# KiCad board fieldRadio_1.1.kicad_pcb (continued)
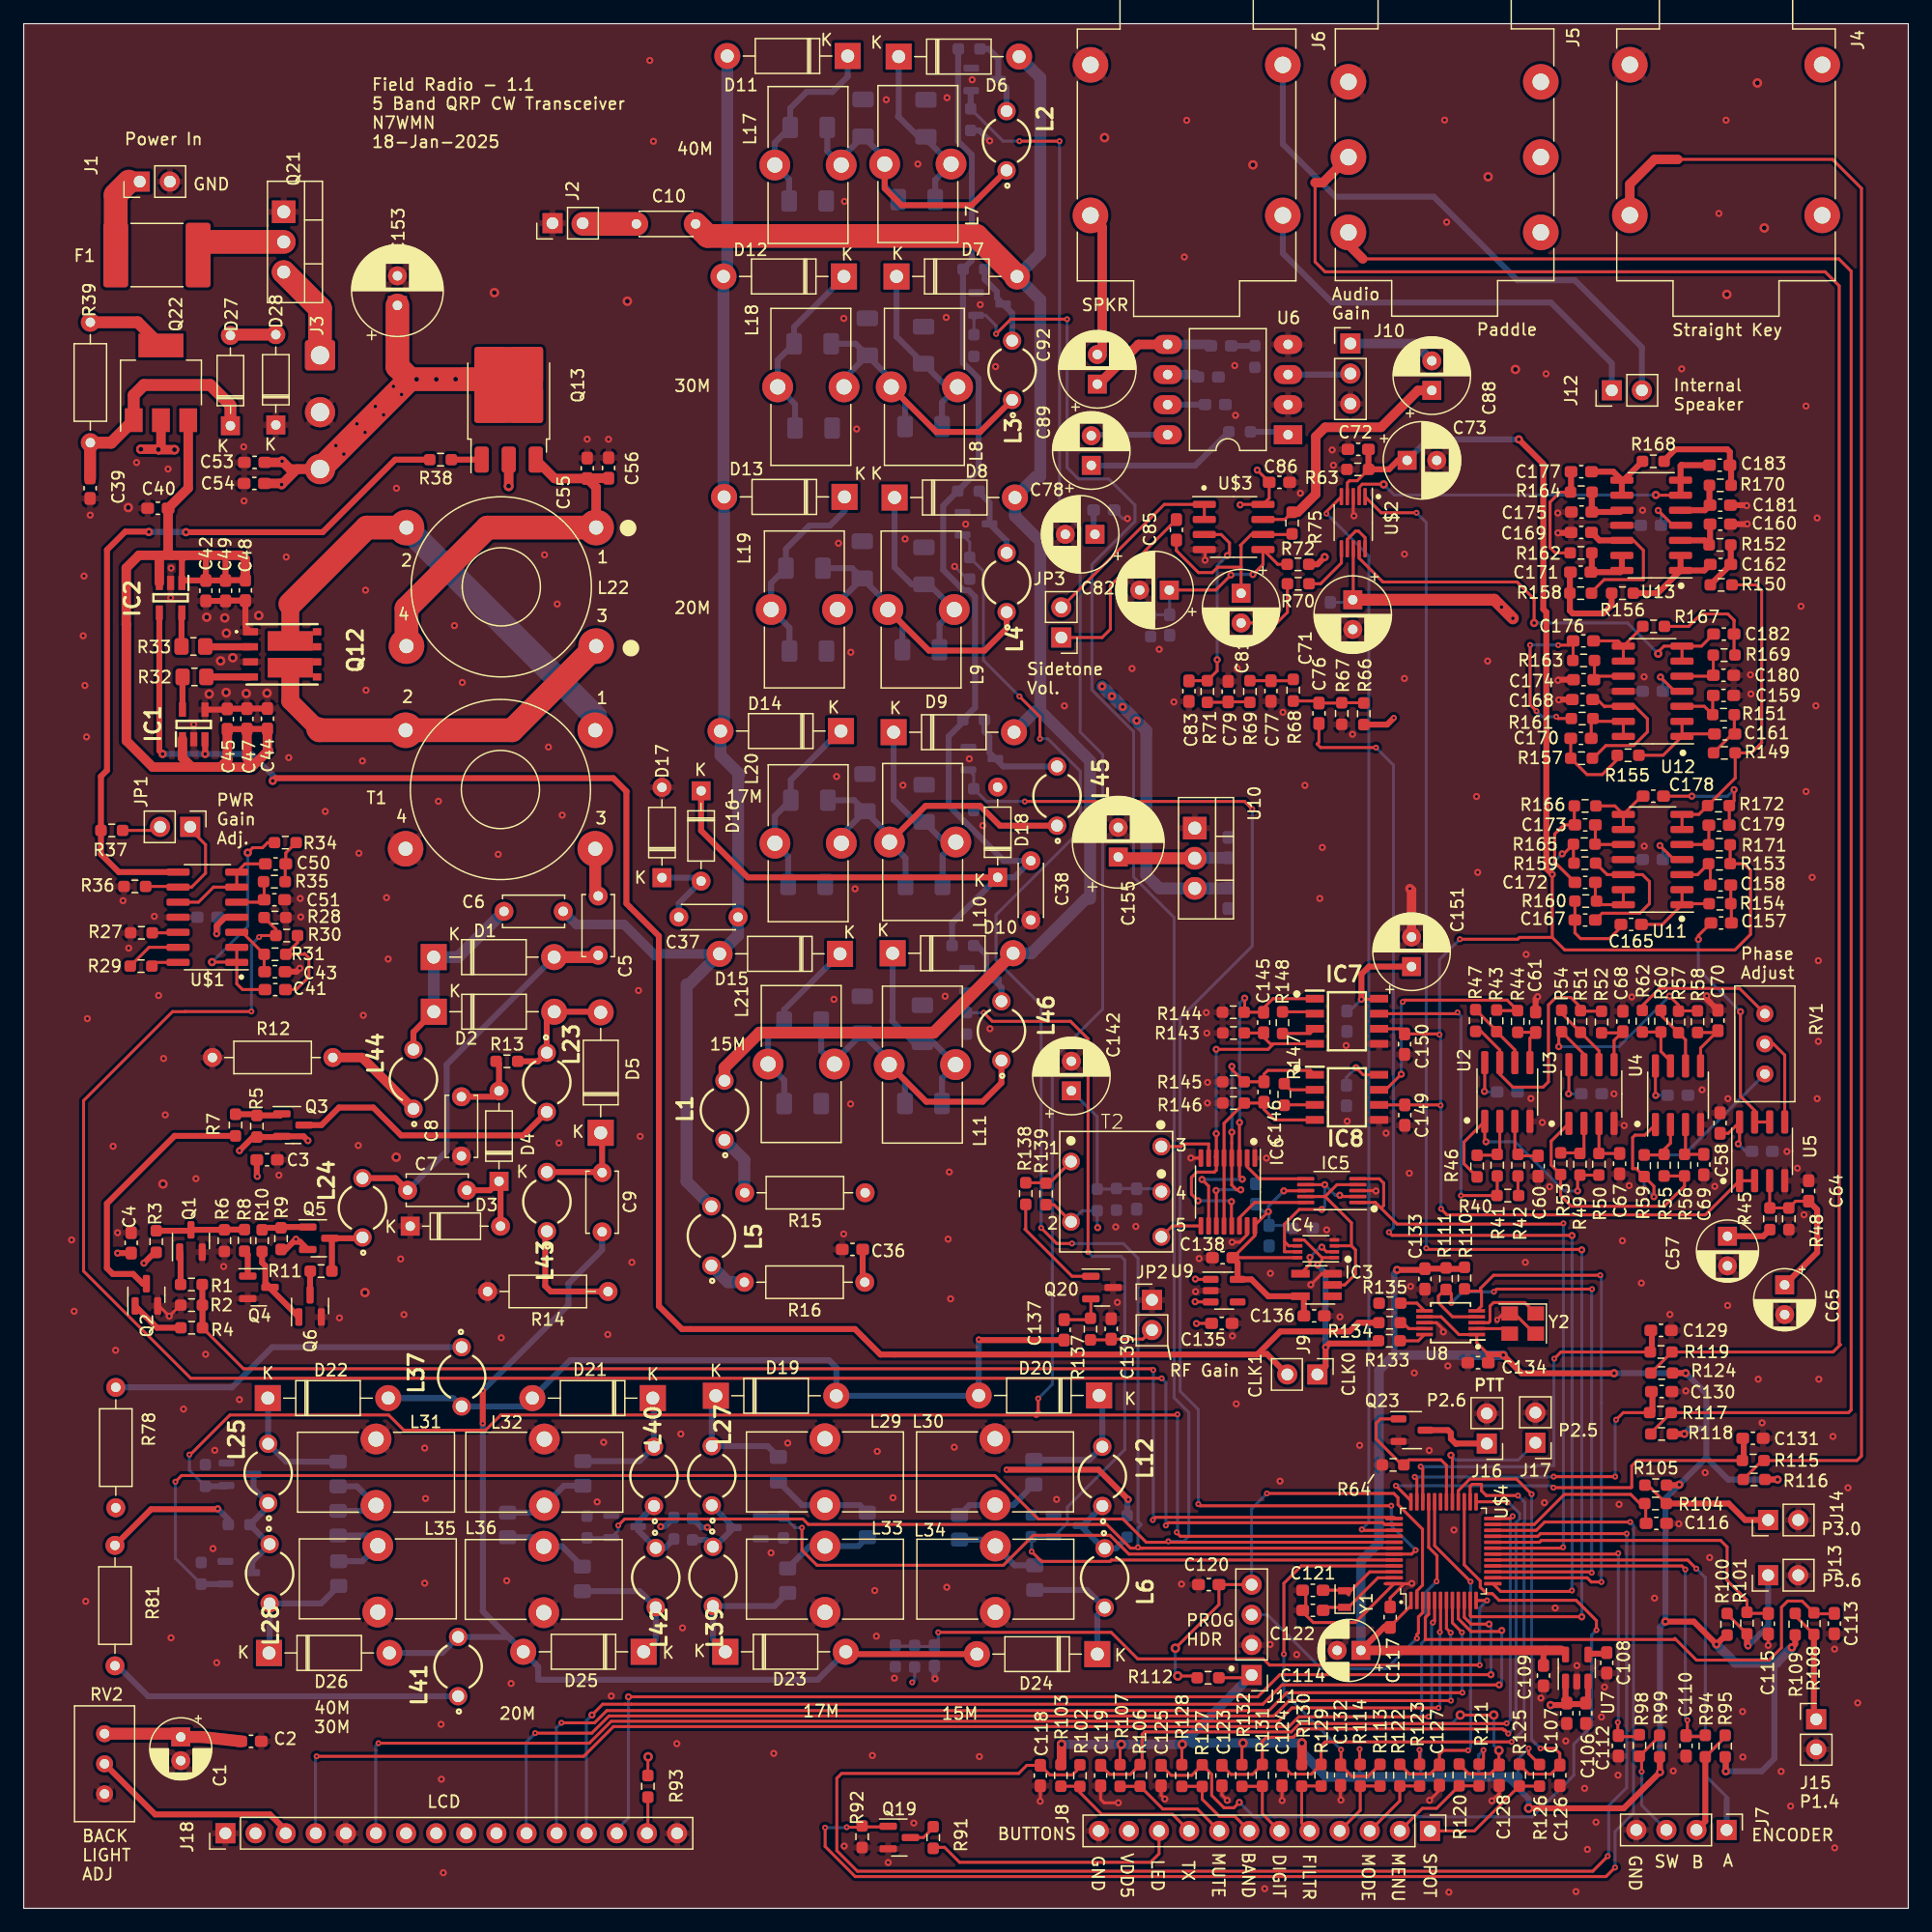
[diagram p0: board, top side]
## Routing (per net, layer and track width the routed paths; a pad name or vN(x,y) marks a point on that pad's centre or on a via; arc(x,y) is an arc through that point) (continued)
Net-(Q2-C): length 22.5
  Top w0.5: Q2.3 10.05,52.7 9.23,53.52 7.51,53.52 7.02,54.01 7.02,59.46 12.73,65.17 R7.1
Net-(Q3-D): length 22.9
  Top w0.5: Q3.3 25.12,66.08 26.6,67.56 29.49,67.56 31.84,65.21 42.15,65.21 L23.2
Net-(Q3-G): length 4
  Top w0.5: Q3.1 21.64,66.89 R5.2 19.57,66.99 R7.2
Net-(Q4-B): length 2.2
  Top w0.5: Q4.1 18.9,55.16 R8.2
Net-(Q4-C): length 6.8
  Top w0.5: Q6.1 20.78,52.31 Q4.3 20.39,52.78 20.39,54.2 20.11,54.48 R10.1
Net-(Q5-D): length 5.6
  Top w0.5: R11.2 26,56.37 Q5.3 28.51,56.53 L24.1
Net-(Q5-G): length 4
  Top w0.5: Q5.1 21.78,57.48 R9.2 20.28,57.41 R10.2
Net-(Q6-D): length 2
  Top w0.5: Q6.3 24.16,53.74 R11.1
Net-(Q7-D): length 6.6
  Bottom w0.5: R18.1 81.41,156.88 82.22,156.06 Q7.3 82.92,153.6 L2.2
Net-(Q8-D): length 7
  Bottom w0.5: L3.2 83.39,134.59 Q8.3 82.11,135.87 82.11,136.39 81.08,137.42 R19.1
Net-(Q9-D): length 6.2
  Bottom w0.5: R20.1 80.62,119.46 81.49,118.59 Q9.3 82.93,115.37 L4.2
Net-(Q10-D): length 9.1
  Bottom w0.5: R21.1 81.06,99.27 81.47,98.86 81.47,97.51 Q10.3 82.64,96.34 L45.2
Net-(Q11-D): length 5.8
  Bottom w0.5: L46.2 82.49,77.71 Q11.3 81.21,78.99 81.21,80.45 80.44,81.22 R17.1
Net-(Q12A-D): length 39.3
  Top w1.5: 22.49,110.04 Q12.6
  Top w2: 22.49,110.04 28.94,116.49 L22.2
  Bottom w1: 48.22,100.56 T1.1
  Bottom w2: L22.2 48.22,100.56
Net-(Q12A-G): length 3.8
  Top w0.6: Q12.2 15.34,106.43
  Top w0.8: 15.34,106.43 R33.2
Net-(Q12B-D): length 32.6
  Top w1.5: Q12.5 22.49,101.84 24.84,99.49
  Top w2: 24.84,99.49 24.94,99.39 T1.2 41.19,99.39 L22.3
Net-(Q12B-G): length 3.7
  Top w0.6: Q12.4 R32.2
Net-(Q13-B): length 2.6
  Top w0.5: R38.1 38.64,122.22 Q13.1
  Top w0.8: 38.66,122.2 Q13.1
Net-(Q13-E): length 33.4
  Top w0.8: L22.1 48.3,119.88 C55.2 ; C55.2 44.8,120.63 Q13.3 ; C55.2 47.57,120.65 C56.2
  Top w2: L22.4 32.3,109.67 39.12,116.49 L22.1
  Bottom w0.8: 48.21,116.41 L22.1
Net-(Q14-D): length 10.8
  Bottom w0.5: Q18.3 19.29,29.26 L28.1 20.73,30.72 R80.1 20.62,33.9 L25.1 19.39,35.43 Q14.3
Net-(Q15-D): length 7
  Bottom w0.5: L27.1 58.05,33.98 Q15.3 58.3,30.5 L39.1 57.57,31.08 R83.1
Net-(Q16-D): length 7.6
  Bottom w0.5: R86.1 92.16,30.37 L6.1 91.09,30.37 Q16.3 89.35,32.29 L12.1
Net-(Q17-D): length 6.6
  Bottom w0.5: R87.1 54.1,30.4 L42.1 51.84,31.89 Q17.3 51.84,32.6 L40.1
Net-(Q19-D): length 2.3
  Top w0.25: Q19.3 75.91,5.97 76.74,6.79
Net-(Q19-G): length 116.8
  Top w0.25: v4(135.54,32.59) 128.31,32.59 127.61,31.88 U$4.22 ; v4(67.62,6.81) 67.62,5.21 70.15,2.68 133.5,2.68 v4(134.26,3.44) ; Q19.1 72.88,6.87 70.74,6.87 70.71,6.84 v4(69.44,6.84)
  Bottom w0.25: v4(134.26,3.44) 134.26,6.48 135.81,8.04 135.81,32.31 v4(135.54,32.59) ; v4(67.62,6.81) 69.41,6.81 v4(69.44,6.84)
Net-(Q20-D): length 9.3
  Top w0.25: R138.2 84.54,57.35 84.48,57.29 88.45,53.32 Q20.1
Net-(Q20-S): length 3.9
  Top w0.25: C137.1 89.88,49.66 R137.2 90.04,49.82 Q20.2
Net-(Q21-D): length 7.7
  Top w1: 15.83,140.59 F1.2
  Top w2: Q21.2 15.83,140.59
Net-(Q23-G): length 13.7
  Top w0.25: U$4.30 120.03,37.38 119.57,37.84 116.87,37.84 R64.2 116.28,37.41 114.11,39.58 114.11,40.94 114.46,41.29 Q23.1
Net-(R40-Pad2): length 1.7
  Top w0.25: R42.1 126.07,60.19 R40.2
Net-(R46-Pad2): length 20.1
  Top w0.25: v1(123.37,64.67) 123.26,64.78 U2.1 121.52,64.65 121.52,62.81 R46.2 ; R50.1 R49.1 131.1,61.66 v1(131.1,60.52)
  Bottom w0.25: v1(123.37,64.67) 125.84,64.67 129.99,60.52 v1(131.1,60.52)
Net-(R47-Pad2): length 21.4
  Top w0.25: 122.43,73.92 R47.2 122.96,73.99 124.53,72.41 U2.7 124.53,70.37 125.63,69.28 128.19,69.28 128.64,69.73 128.64,76.22 129.26,76.84 130.53,76.84 131.34,76.03 131.34,75.74 131.4,75.69 R52.1
Net-(R53-Pad2): length 21.2
  Top w0.25: R55.1 R56.1 140.12,60.93 138.42,59.23 130.57,59.23 129.67,60.13 R53.2 128.87,62.71 128.87,64.73 U3.1
Net-(R54-Pad2): length 19.2
  Top w0.25: v1(129.51,72.69) 129.51,73.71 R54.2 131.63,72.06 131.63,71.17 ; v1(138.86,76.96) 139.61,76.21 R57.1 139.63,75.72 R58.1
  Bottom w0.25: v1(129.51,72.69) 134.59,72.69 v1(138.86,76.96)
Net-(R59-Pad2): length 10.3
  Top w0.25: v1(137.54,60.03) 137.54,60.91 R59.2 136.05,62.4 135.74,62.4 135.74,65.03 135.94,65.23 136.78,65.23 U4.1
  Bottom w0.25: R59.2 136.72,60.85 v1(137.54,60.03)
Net-(R60-Pad2): length 4.8
  Top w0.25: U4.7 138.94,71.49 138.13,72.29 R60.2 R62.1
Net-(R61-Pad2): length 13
  Bottom w0.25: R61.2 140.07,63.56 RV1.1
Net-(R62-Pad2): length 12.2
  Top w0.25: R62.2 136.56,76.15 138.01,77.61 144.76,77.61 RV1.3
Net-(R76-Pad1): length 3.3
  Bottom w0.5: R76.1 106.42,124.57 U6.1
Net-(R138-Pad1): length 4.6
  Top w0.25: T2.1 86.54,61.18 R139.2 86.23,61.21 R138.1
Net-(U2A-+): length 4.6
  Top w0.25: C60.1 126.19,63.49 R42.2 125.81,63.88 125.81,66.4
Net-(U2A--): length 4.6
  Top w0.25: R46.1 124.25,63.53 R41.2 124.53,63.82 U2.2
Net-(U2B-+): length 4.3
  Top w0.25: R44.2 127.54,73.91 C61.1 127.07,73.4 U2.5
Net-(U2B--): length 5.8
  Top w0.25: R47.1 124.27,74.03 R43.2 125.81,72.43 125.81,71.35
Net-(U3A-+): length 4.3
  Top w0.25: U3.3 132.91,63.69 R50.2 C67.1
Net-(U3A--): length 4.3
  Top w0.25: 129.67,63.74 131.25,63.74 R49.2 131.63,64.03 131.63,66.22
Net-(U3B-+): length 4.9
  Top w0.25: R52.2 134.82,73.86 C68.1 134.18,73.22 U3.5
Net-(U3B--): length 5.9
  Top w0.25: U3.6 132.91,72.35 R51.2 129.75,75.5 R54.1
Net-(U4A-+): length 4.2
  Top w0.25: 140.21,66.12 140.21,63.69 R56.2 C69.1
Net-(U4A--): length 4.4
  Top w0.25: U4.2 138.94,64.56 138.4,64.02 R55.2 138.34,63.56 R59.1
Net-(U4B-+): length 5.4
  Top w0.25: R58.2 142.79,73.89 C70.1 141.47,72.57 U4.5
Net-(U4B--): length 5.5
  Top w0.25: R60.1 138.13,75.35 R57.2 140.21,73.28 140.21,71.07
Net-(U5A-+): length 14.3
  Top w0.25: 147.31,61.39 147.31,59.1 R45.2 R48.2 149.5,59.66 C64.1
  Top w0.5: C64.1 151.31,58.94 151.31,55.34 C65.1
Net-(U5B-+): length 7.7
  Top w0.25: U5.5 148.57,71.98 147.62,72.93 RV1.2
Net-(U6-BYPASS): length 3.2
  Bottom w0.5: C90.2 96.52,126.87 U6.7
Net-(U7-BP): length 1.6
  Top w0.5: U7.4 132.06,21.49 133.56,21.49
Net-(U8-CLK0): length 2.3
  Top w0.25: U8.10 117.66,47.88 R133.1
Net-(U8-CLK1): length 2.2
  Top w0.25: U8.9 116.85,48.91 116.35,49.41 R134.1
Net-(U8-CLK2): length 2.3
  Top w0.25: R135.1 117.54,51.06 U8.6
Net-(U8-XA): length 3
  Top w0.25: Y2.3 124.94,48.91 U8.2
Net-(U8-XB): length 6.8
  Top w0.25: Y2.1 126.65,51.1 124,51.1 123.71,50.81 123.71,49.53 123.59,49.41 U8.3
Net-(U11A-+): length 4.5
  Top w0.25: C158.2 142.3,87.98 R153.2 141.23,87.21 U11.3
Net-(U11A--): length 7.7
  Top w0.25: U11.1 138.25,83.01 C165.1 ; U11.1 U11.2 ; U11.1 140,84.75 R154.2
Net-(U11B-+): length 3.9
  Top w0.25: C179.2 142.17,89.75 R171.2 142.13,89.75 U11.5
Net-(U11B--): length 27.3
  Top w0.25: U11.6 U11.7 141.33,92.29 R172.2 144.4,95.35 R149.1 145.78,97.48 146.63,98.33 146.63,111.17 146.13,111.67 146.12,111.66 R150.1
Net-(U11C-+): length 4
  Top w0.25: U11.10 132.6,89.75 R165.2 132.6,89.81 C173.2
Net-(U11C--): length 6.2
  Top w0.25: C178.1 136.5,93.83 U11.8 ; U11.8 U11.9 ; U11.8 134.25,93 R166.2
Net-(U11D-+): length 12.2
  Top w0.25: R159.2 133.59,87.21 U11.12 136.57,87.21 137.16,86.62 137.16,84.76 136.35,83.96 133.17,83.96 C167.2
Net-(U11D--): length 5.3
  Top w0.25: U11.13 U11.14 133.01,84.67 R160.2 132.6,85.08 C172.1
Net-(U12A-+): length 4.5
  Top w0.25: C159.1 142.5,102.28 R151.2 141.79,101.41 U12.3
Net-(U12A--): length 8.4
  Top w0.25: U12.2 U12.1 ; U12.1 138.32,97.28 R155.1 ; U12.1 140.12,99.08 C161.2
Net-(U12B-+): length 4.4
  Top w0.25: U12.5 142.47,103.95 C180.1 R169.2
Net-(U12C-+): length 4.3
  Top w0.25: U12.10 132.77,103.95 C174.1 132.52,103.7 R163.2
Net-(U12C--): length 6.3
  Top w0.25: C176.2 134.52,106.93 U12.8 ; U12.8 U12.9 ; U12.8 136.6,108.13 R167.1
Net-(U12D-+): length 12
  Top w0.25: R157.2 132.42,97.03 133.49,98.1 135.84,98.1 136.99,99.25 136.99,100.35 135.93,101.41 U12.12 133.42,101.41 133.38,101.37 132.77,101.98 C168.1
Net-(U12D--): length 5.7
  Top w0.25: U12.14 U12.13 132.64,100.14 R161.1 132.25,100.23 C170.2
Net-(U13A-+): length 4.4
  Top w0.5: C160.1 142.27,115.11 R152.2 141.82,115.41 U13.3
Net-(U13A--): length 8.8
  Top w0.5: U13.2 U13.1 ; U13.1 137.87,110.95 R156.1 ; U13.1 141.79,112.87 C162.2
Net-(U13B-+): length 4.4
  Top w0.5: R170.2 142.22,118.43 C181.1 141.84,117.95 U13.5
Net-(U13C-+): length 4.3
  Top w0.5: U13.10 134.69,117.81 C175.1 132.3,119.45 R164.2
Net-(U13C--): length 6.5
  Top w0.5: U13.8 134.98,120.49 R168.1 ; U13.8 134.12,121.2 C177.2 ; U13.8 U13.9
Net-(U13D-+): length 12.4
  Top w0.25: R158.2 132.27,111.03 133.34,112.1 136.65,112.1 136.65,114.57 135.81,115.41 U13.12
  Top w0.5: U13.12 132.94,115.41 C169.1
Net-(U13D--): length 5.6
  Top w0.5: U13.13 U13.14 134.69,112.73 C171.2 132.3,112.81 R162.1
Net-(U$1A-+IN): length 4.6
  Top w0.25: U$1.3 18.43,82.34 R31.1 20.29,79.06 C43.1
Net-(U$1A--IN): length 21
  Top w0.25: 20.27,77.64 20.14,77.64 ; R34.2 20.58,89.91 20.15,89.48 19.32,89.48 v3(18.9,89.06) ; U$1.1 17.97,78 18.46,77.51 C41.2 ; U$1.1 U$1.2 ; U$1.1 17.95,79.83 v3(15.89,79.83)
  Bottom w0.25: v3(18.9,89.06) 18.9,82.84 v3(15.89,79.83)
Net-(U$1B-+IN): length 3.9
  Top w0.25: 17.97,84.88 20.08,84.88 C51.1 20.29,86.56 R35.1
Net-(U$1B--IN): length 9.4
  Top w0.25: 13.03,84.88 14.75,84.88 16.02,86.16 16.03,86.16 U$1.6 U$1.7 18.67,88.12 C50.2
Net-(U$1C--IN): length 10
  Top w0.25: JP1.1 14.05,91.03 15.34,89.74 15.34,87.33 14.17,86.16 U$1.9 12.97,86.22 R36.1
Net-(U$1C-OUT): length 63.5
  Top w0.5: R38.2 31.34,122.22 25.22,116.1 v3(13.69,116.1) ; v3(10.56,116.12) 10.53,116.15 8.57,116.15 7.03,114.61 7.03,96.01 6.52,95.5 R37.2 6.52,88.93 8.03,87.43 U$1.8 13.03,87.44
  Bottom w0.5: v3(13.69,116.1) 13.67,116.12 v3(10.56,116.12)
Net-(U$1D-+IN): length 2.2
  Top w0.25: U$1.12 12.98,82.3 R27.2
Net-(U$1D--IN): length 4.7
  Top w0.25: R29.2 10.57,81.07 U$1.13
Net-(U$1D-OUT): length 2.3
  Top w0.25: U$1.14 11.13,79.81 R29.1
Net-(U$2-COM1): length 3.7
  Top w0.25: U$2.7 111.67,115.49 112.37,116.19 112.62,116.19 113.17,115.64 U$2.10
Net-(U$2-COM2): length 4.7
  Top w0.25: U$2.6 111.17,113.5 109.42,111.75 R70.1
Net-(U$3B-+IN): length 16.4
  Top w0.25: C83.2 98.33,103.57 R71.2 100.69,104.4 v1(100.69,105.34) ; v1(101.55,114.13) 101.73,114.31 101.73,115.2 101.03,115.91 U$3.3
  Bottom w0.25: v1(101.55,114.13) 100.69,113.27 v1(100.69,105.34)
Net-(U$3B--IN): length 16.9
  Top w0.25: U$3.2 99.6,118.44 96.23,118.44 JP3.2
Net-(U$4-P1.0/UCB0STE/TA0CLK/A0/VEREF+): length 58
  Top w0.25: v4(123.46,25.97) U$4.12 ; v4(77.16,23.28) 91.75,23.28 93.99,21.04 104.59,21.04 105.11,20.52 v4(122.84,20.52)
  Bottom w0.25: C105.1 77.16,22.47 v4(77.16,23.28) ; v4(123.46,25.97) 122.84,25.35 v4(122.84,20.52) ; 73.54,22.12 75.14,22.12 75.16,22.09 76.81,22.09 76.84,22.06
Net-(U$4-P1.4/UCA0TXD/UCA0SIMO/TA1.2/TCK/A4/VREF+): length 43.3
  Top w0.25: 152.76,24.79 152.71,24.84 151.03,24.84 150.99,24.79 ; R108.2 150.05,25.92 148.82,25.92 148.3,25.4 148.3,21.98 147.26,20.94 141.13,20.94 139.31,22.76 139.23,22.68 118.25,22.68 118.25,24.52 118.53,24.81 U$4.4
Net-(U$4-P2.0/XOUT): length 7.1
  Top w0.25: Y1.2 111.97,26.79 113.56,28.38 U$4.46 ; Y1.2 111.79,26.44 ; Y1.2 111.39,26.84 109.72,26.84
Net-(U$4-P2.1/XIN): length 7
  Top w0.25: 109.74,25.12 110.01,25.39 Y1.1 111.76,25.39 114.25,27.88 U$4.47
Net-(U$4-P2.2/ACLK/COMP0.1): length 32.2
  Top w0.25: v4(140.36,15.87) 140.36,14.59 140.25,14.49 141.85,14.49 141.88,14.51 ; v4(140.19,28.59) 139.9,28.88 U$4.16
  Bottom w0.25: v4(140.36,15.87) 140.19,16.04 v4(140.19,28.59)
Net-(U$4-P2.3/TA2.0): length 50.4
  Top w0.25: v4(125.25,14.74) 124.96,15.03 124.87,15.03 124.78,15.13 107.82,15.13 107.12,14.43 104.85,14.43 104.5,14.08 R131.2 103.67,11.3 101.85,11.3 C123.1 ; v4(125.19,34.25) 125.14,34.3 U$4.25
  Bottom w0.25: v4(125.19,34.25) 125.26,34.25 126.19,33.32 126.19,32.84 125.9,32.55 125.9,15.39 v4(125.25,14.74)
Net-(U$4-P2.4/UCA1CLK): length 36.7
  Top w0.25: R125.2 127,11.32 128.84,11.32 C126.1 129.6,13.07 129.18,13.49 v4(127.97,13.49) ; U$4.28 121.03,35.24 122.01,36.22 125.94,36.22 v4(127.22,34.94)
  Bottom w0.25: v4(127.22,34.94) 127.22,14.24 v4(127.97,13.49)
Net-(U$4-P2.7/UCB1STE): length 35.1
  Top w0.25: 145.09,37.78 136.12,37.78 135.67,37.33 135.67,35.54 135.62,35.49 v4(129.06,35.49) ; U$4.36 117.03,34.38 v4(115.77,35.65)
  Top w0.5: 145.12,39.66 145.12,37.81 145.09,37.78
  Bottom w0.25: v4(129.06,35.49) 128.9,35.65 v4(115.77,35.65)
Net-(U$4-P3.0/TA2.2): length 16
  Top w0.25: 136.87,34.18 136.84,34.15 136.84,32.6 136.88,32.56 C116.1 136.79,32.38 ; U$4.23 127.44,32.38 129.98,34.92 135.58,34.92 136.35,34.15 R104.2
Net-(U$4-P3.1/UCA1STE): length 72.8
  Top w0.25: U$4.27 121.53,28.98 122.88,27.63 122.88,27.09 123.43,26.55 123.9,26.55 124.47,25.98 130.98,25.98 132.69,24.27 v4(132.69,23.47) ; C125.1 96.8,11.22 98.55,11.22 R127.2 100.23,11.3 100.23,9.52 101.26,8.49 102.1,8.49 v1(102.56,8.94)
  Bottom w0.25: v4(132.69,23.47) 132.29,23.07 132.29,15.36 130.78,13.85 130.78,11.22 127.27,7.72 103.78,7.72 v1(102.56,8.94)
Net-(U$4-P3.3/TA2.1): length 57.2
  Top w0.25: 94.36,12.07 94.36,14.68 94.56,14.88 106.94,14.88 107.64,15.58 125.08,15.58 v4(125.11,15.61) ; R106.1 93.37,11.3 91.62,11.3 C119.1 ; v4(125.62,33.08) 125.43,32.88 U$4.24
  Bottom w0.25: v4(125.62,33.08) 125.42,32.88 125.42,15.92 v4(125.11,15.61)
Net-(U$4-P3.4/TA2CLK/COMP0OUT): length 49.3
  Top w0.25: v4(126.07,34.82) 126.06,34.82 123.41,34.82 123.4,34.82 122.99,35.23 122.99,35.77 122.2,35.77 122.03,35.6 U$4.26 ; C124.1 106.91,11.32 108.64,11.32 R129.2 109.46,13.7 109.8,14.04 v4(125.53,14.04)
  Bottom w0.25: v4(125.53,14.04) 126.59,15.1 126.59,32.6 126.65,32.66 126.65,34.25 v4(126.07,34.82)
Net-(U$4-P3.7/TA3.2): length 29.8
  Top w0.25: v4(121.86,13.32) 119.76,13.32 119.44,13 C127.1 118.67,11.33 116.91,11.33 R122.2 ; U$4.32 119.03,30.59 v4(122.07,27.56)
  Bottom w0.25: v4(122.07,27.56) 122.07,13.53 v4(121.86,13.32)
Net-(U$4-P4.0/TA3.1): length 34.2
  Top w0.25: v2(121.2,16.31) v2(124.03,16.31) ; R120.2 121.93,11.34 123.74,11.34 C128.1 124.46,12.12 v2(124.46,13.31) ; v4(119.2,27.58) 119.24,27.62 119.24,29.75 118.53,30.46 U$4.33
  Bottom w0.25: v4(119.2,27.58) 118.28,26.66 118.28,22.7 117.94,22.36 117.94,15.86 118.22,15.59 120.48,15.59 v2(121.2,16.31) ; v2(124.03,16.31) 124.03,13.75 v2(124.46,13.31)
Net-(U$4-P4.1/TA3.0): length 33.6
  Top w0.25: v4(117.86,37.26) 118.03,37.09 U$4.34 ; 137.32,46.94 129.69,46.94 v4(129.13,46.37)
  Top w0.5: 137.37,48.76 137.37,46.99 137.32,46.94
  Bottom w0.25: v4(129.13,46.37) 129.1,46.34 129.1,37.36 127.68,37.36 127.58,37.26 v4(117.86,37.26)
Net-(U$4-P4.2/TA3CLK): length 29
  Top w0.25: v4(134.35,41.22) 134.95,41.82 137.26,41.82 ; 134.3,36.45 v4(134.27,36.42) v4(129.08,36.42) ; v4(117.36,36.4) 117.53,36.22 U$4.35
  Top w0.5: 137.41,43.59 137.41,41.97 137.26,41.82
  Bottom w0.25: v4(117.36,36.4) 129.06,36.4 v4(129.08,36.42) ; v4(134.27,36.42) 134.27,41.14 v4(134.35,41.22)
Net-(U$4-P4.5/UCB0SOMI/UCB0SCL/TA3.2): length 33.6
  Top w0.25: U$4.17 140.38,29.38 v4(141.11,28.66)
  Bottom w0.25: 140.25,14.53 141.85,14.53 141.88,14.51 141.88,27.9 v4(141.11,28.66)
Net-(U$4-P4.6/UCB0SIMO/UCB0SDA/TA3.1): length 27.9
  Top w0.25: 136.31,14.56 136.24,14.49 134.54,14.49 134.49,14.53 v4(134.49,15.69) ; U$4.18 134.46,29.88 v4(134.53,29.96)
  Bottom w0.25: v4(134.53,29.96) 134.53,15.73 v4(134.49,15.69)
Net-(U$4-P5.2/UCA0TXD/UCA0SIMO/TB0.4): length 31.4
  Top w0.25: R113.1 113.42,11.13 112.06,11.13 C132.1 111.14,12.13 v4(111.14,13.38) ; v4(106.32,21.44) 106.32,27.42 107.78,28.88 U$4.45
  Bottom w0.25: v4(106.32,21.44) 106.32,18.2 v4(111.14,13.38)
Net-(U$4-P5.6/UCB0STE/TA2.0): length 28.2
  Top w0.25: U$4.20 127.88,30.88 128.03,31.03 143.16,31.03 143.72,30.49 143.72,27.66 145.39,25.99 R100.2 ; 147.19,24.78 147.09,24.88 145.39,24.88 145.29,24.78
Net-(U$4-P5.7/TA2.1/COMP0.2): length 133.4
  Top w0.25: R102.1 89.11,11.89 88.48,11.26 86.57,11.26 C118.1 84.63,12.06 83.94,11.38 69,11.38 68.6,10.97 68.6,4.87 70.34,3.13 132.38,3.13 133.64,4.39 v4(133.64,4.4) ; v4(135.24,31.61) 127.97,31.61 127.75,31.38 U$4.21
  Bottom w0.25: v4(135.24,31.61) 135.24,10.17 133.72,8.65 133.72,4.48 v4(133.64,4.4)

## Copper pours and planes (outline as drawn; the poured copper is in the pictures)
GND on Top, Bottom, GND: 0,159 159,159 159,0 0,0
VDD5 on PWR: 159,125.5 121.78,125.62 121.72,97.16 88.23,97.02 84.27,70.49 84.07,17.55 83.02,17.57 10.05,16.91 10.1,2.48 153.01,2.47 158.86,2.5
VDD12 on PWR: 0.01,143.01 85.6,142.98 88.85,136.26 121.17,136.26 121.17,97.57 87.69,97.34 83.55,68.17 83.67,17.89 -0.01,17.89

## Text on the board
F.Silkscreen: GND | VDD5 | LED | TX | MUTE | BAND | DIGIT | FILTR | MODE | MENU | SPOT | BACK / LIGHT / ADJ | Power In | PWR / Gain / Adj. | 40M / 30M | Field Radio - 1.1 / 5 Band QRP CW Transceiver / N7WMN / 18-Jan-2025 | 4 | 2 | LCD | 20M | 3 | 1 | 30M | 40M | 15M | 17M | BUTTONS | Sidetone / Vol. | SPKR | RF Gain | 5 | PROG / HDR | Audio / Gain | P2.6 | Paddle | P2.5 | SW | Straight Key | Internal / Speaker | B | A | Phase / Adjust | ENCODER | P1.4 | P3.0 | P5.6 | CLK1 | CLK0 | PTT
